# KiCad board pi60_RGB_v2.0_usb.kicad_pcb (continued)
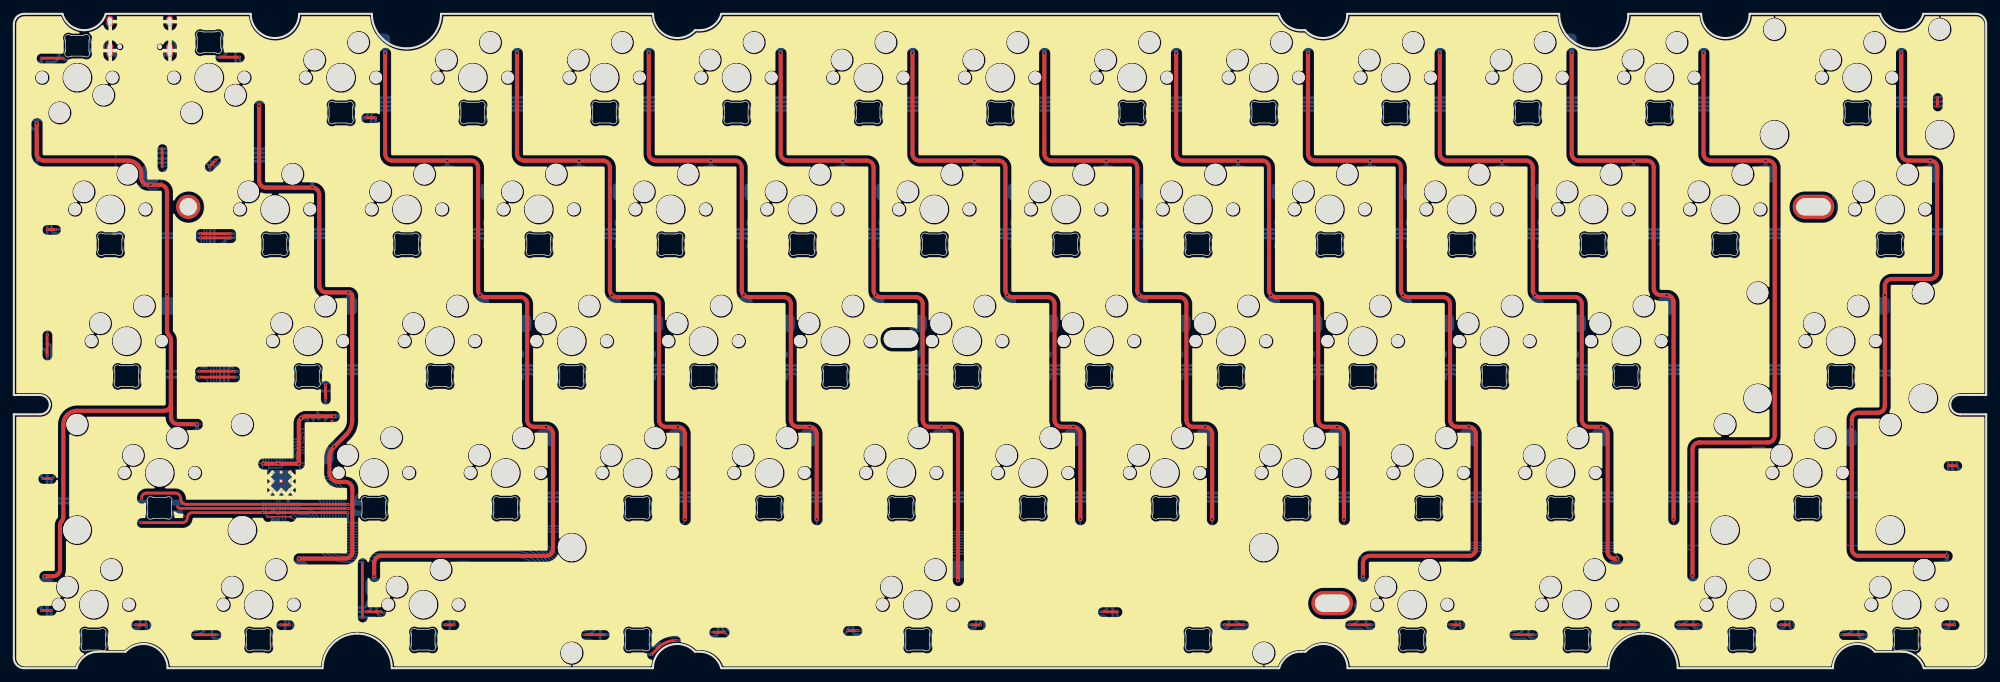
[diagram p0: board, top side]
## Routing (per net, layer and track width the routed paths; a pad name or vN(x,y) marks a point on that pad's centre or on a via; arc(x,y) is an arc through that point) (continued)
R3: length 296.6
  Top w0.4: v1(48.21,22.49) 25.81,22.49 arc(25.29,22.28) 25.08,21.76 arc(24.86,21.25) 24.35,21.03 24.34,21.03 v1(18.46,21.03)
  Bottom w0.2: U2.28 36.02,22.59 v1(35.92,22.49)
  Bottom w0.4: v1(18.46,21.03) 18.29,21.03 arc(18.13,21.06) 18,21.15 16.58,22.57 arc(15.79,23.09) 14.87,23.28 13.86,23.28 ; v1(48.21,22.49) 48.21,21.13 arc(48.24,21.06) 48.31,21.03 54.81,21.03 arc(55.52,21.32) 55.81,22.03 55.81,23.03 arc(56.13,23.8) 56.9,24.11 58.45,24.11 arc(59.16,23.82) 59.45,23.11 arc(59.75,23.82) 60.45,24.11 62.54,24.11 arc(63.3,23.8) D44.1 arc(63.94,23.8) 64.71,24.11 66.06,24.11 arc(66.49,23.94) 66.66,23.52 66.66,22.53 arc(67.1,21.47) 68.16,21.03 73.86,21.03 arc(74.57,21.32) 74.86,22.03 74.86,23.03 arc(75.18,23.8) 75.95,24.11 81.59,24.11 arc(82.35,23.8) D45.1 arc(82.99,23.8) 83.76,24.11 85.11,24.11 arc(85.54,23.94) 85.71,23.52 85.71,22.53 arc(86.15,21.47) 87.21,21.03 92.91,21.03 arc(93.62,21.32) 93.91,22.03 93.91,23.03 arc(94.23,23.8) 95,24.11 100.64,24.11 arc(101.4,23.8) D46.1 arc(102.04,23.8) 102.81,24.11 104.16,24.11 arc(104.59,23.94) 104.76,23.52 104.76,22.53 arc(105.2,21.47) 106.26,21.03 111.96,21.03 arc(112.67,21.32) 112.96,22.03 112.96,23.03 arc(113.28,23.8) 114.05,24.11 119.69,24.11 arc(120.45,23.8) D47.1 arc(121.09,23.8) 121.86,24.11 123.21,24.11 arc(123.64,23.94) 123.81,23.52 123.81,22.53 arc(124.25,21.47) 125.31,21.03 131.01,21.03 arc(131.72,21.32) 132.01,22.03 132.01,23.03 arc(132.33,23.8) 133.1,24.11 138.74,24.11 arc(139.5,23.8) D48.1 arc(140.14,23.8) 140.91,24.11 142.26,24.11 arc(142.69,23.94) 142.86,23.52 142.86,22.53 arc(143.3,21.47) 144.36,21.03 150.06,21.03 arc(150.77,21.32) 151.06,22.03 151.06,23.03 arc(151.38,23.8) 152.15,24.11 157.79,24.11 arc(158.55,23.8) D49.1 arc(159.19,23.8) 159.96,24.11 161.31,24.11 arc(161.74,23.94) 161.91,23.52 161.91,22.53 arc(162.35,21.47) 163.41,21.03 169.11,21.03 arc(169.82,21.32) 170.11,22.03 170.11,23.03 arc(170.43,23.8) 171.2,24.11 176.84,24.11 arc(177.6,23.8) D50.1 arc(178.24,23.8) 179.01,24.11 180.36,24.11 arc(180.79,23.94) 180.96,23.52 180.96,22.53 arc(181.4,21.47) 182.46,21.03 188.16,21.03 arc(188.87,21.32) 189.16,22.03 189.16,23.03 arc(189.48,23.8) 190.25,24.11 195.89,24.11 arc(196.65,23.8) D51.1 arc(197.29,23.8) 198.06,24.11 199.41,24.11 arc(199.84,23.94) 200.01,23.52 200.01,22.53 arc(200.45,21.47) 201.51,21.03 207.21,21.03 arc(207.92,21.32) 208.21,22.03 208.21,23.03 arc(208.53,23.8) 209.3,24.11 214.94,24.11 arc(215.7,23.8) D52.1 arc(216.34,23.8) 217.11,24.11 218.46,24.11 arc(218.89,23.94) 219.06,23.52 219.06,22.53 arc(219.5,21.47) 220.56,21.03 226.26,21.03 arc(226.97,21.32) 227.26,22.03 227.26,23.03 arc(227.58,23.8) 228.35,24.11 250.65,24.11 arc(251.42,23.8) D53.1
R4: length 298.9
  Top w0.2: v1(36.68,21.89) v1(40.02,21.89)
  Top w0.4: v1(50.36,7.37) v1(50.36,15.23) ; v1(92.17,1.98) 93.17,2.99 arc(94.29,3.74) v1(95.61,4)
  Bottom w0.2: U2.27 36.42,22.15 v1(36.68,21.89) ; v1(50.36,15.23) 50.26,15.33 48.15,15.33 arc(44.11,17) 42.45,21.03 42.45,21.17 arc(42.39,21.32) 42.25,21.37 41.26,21.37 arc(40.59,21.51) v1(40.02,21.89)
  Bottom w0.4: D54.1 D55.1 24.98,3.63 30.14,3.63 30.26,3.63 30.49,3.59 30.71,3.52 30.92,3.41 31.11,3.27 31.2,3.19 31.97,2.42 32.06,2.33 32.25,2.2 32.46,2.09 32.68,2.02 32.91,1.98 33.03,1.98 39.4,1.98 arc(40.1,2.27) 40.4,2.98 40.4,6.87 arc(40.54,7.22) 40.9,7.37 51.85,7.37 arc(52.15,7.31) 52.41,7.13 52.48,7.07 arc(52.81,6.85) 53.19,6.77 53.75,6.77 arc(54.45,6.48) 54.75,5.77 54.75,2.98 arc(55.04,2.27) 55.75,1.98 62.18,1.98 arc(62.88,2.27) 63.18,2.98 63.18,2.98 arc(63.47,3.69) 64.18,3.98 D56.1 ; 213,4.23 214.88,4.23 ; 69.99,4.09 83.15,4.09 arc(83.86,3.8) 84.15,3.09 84.15,2.98 arc(84.45,2.28) 85.15,1.98 v1(92.17,1.98) ; v1(95.61,4) 123.13,4 ; 212.5,4.23 207.06,4.23 arc(206.35,3.94) 206.06,3.23 206.06,2.98 arc(205.76,2.27) 205.06,1.98 198.63,1.98 arc(197.92,2.27) 197.63,2.98 197.63,4.56 arc(197.48,4.92) 197.13,5.06 195.93,5.06 arc(195.51,5.15) 195.15,5.39 arc(194.85,5.59) 194.48,5.66 176.59,5.66 arc(176.17,5.58) 175.81,5.34 175.68,5.21 arc(175.44,4.85) 175.36,4.43 175.36,2.98 arc(175.06,2.27) 174.36,1.98 168.63,1.98 arc(168.17,2.07) 167.78,2.33 166.79,3.32 arc(166.4,3.58) 165.94,3.67 160.2,3.67 arc(158.79,4.26) 158.2,5.67 158.2,6.55 arc(157.91,7.26) 157.2,7.55 141.29,7.55 arc(140.59,7.26) 140.29,6.55 140.29,6.06 arc(140,5.35) 139.29,5.06 139.29,5.06 135.61,5.06 arc(134.9,4.77) 134.61,4.06 134.61,2.98 arc(134.31,2.27) 133.61,1.98 127.19,1.98 arc(126.49,2.27) 126.19,2.98 126.19,3.35 arc(125.99,3.85) 125.49,4.05 123.23,4.05 ; 260.63,4.23 262.51,4.23 ; 215.38,4.23 218.24,4.23 arc(218.39,4.2) 218.52,4.11 218.68,3.95 arc(219.04,3.71) 219.46,3.63 220.43,3.63 arc(221.19,3.48) 221.84,3.04 222.32,2.56 arc(222.97,2.13) 223.74,1.98 223.74,1.98 228.86,1.98 arc(229.56,2.27) 229.86,2.98 229.86,4.06 arc(230.15,4.77) 230.86,5.06 231.72,5.06 arc(232.03,5.13) 232.29,5.3 232.42,5.43 arc(232.68,5.6) 232.99,5.66 241.52,5.66 arc(241.81,5.6) 242.07,5.44 242.21,5.29 arc(242.46,5.12) 242.76,5.06 243.22,5.06 arc(243.59,4.99) 243.89,4.79 246.12,2.56 arc(246.77,2.13) 247.53,1.98 252.69,1.98 252.69,1.98 arc(253.4,2.27) 253.69,2.98 ; 260.13,4.23 254.69,4.23 arc(253.98,3.94) 253.69,3.23
Net-(D1-A): length 7.8
  Bottom w0.4: 15.58,82.2 15.58,76.58 arc(15.87,75.87) 16.58,75.58 D1.2
Net-(D2-A): length 1.6
  Bottom w0.4: 21.54,77.93 21.54,79.5
Net-(D3-A): length 4.1
  Bottom w0.6: D3.2 39.81,87.58
Net-(D4-A): length 4.1
  Bottom w0.6: D4.2 58.86,87.58
Net-(D5-A): length 4.1
  Bottom w0.6: D5.2 77.91,87.58
Net-(D6-A): length 4.1
  Bottom w0.6: D6.2 96.96,87.58
Net-(D7-A): length 4.1
  Bottom w0.6: D7.2 116.01,87.58
Net-(D8-A): length 4.1
  Bottom w0.6: D8.2 135.06,87.58
Net-(D9-A): length 4.1
  Bottom w0.6: D9.2 154.11,87.58
Net-(D10-A): length 4.1
  Bottom w0.6: D10.2 173.16,87.58
Net-(D11-A): length 4.1
  Bottom w0.6: D11.2 192.21,87.58
Net-(D12-A): length 4.1
  Bottom w0.6: D12.2 211.26,87.58
Net-(D13-A): length 4.1
  Bottom w0.6: D13.2 230.31,87.58
Net-(D14-A): length 4.1
  Bottom w0.6: D14.2 258.88,87.58
Net-(D15-A): length 4.1
  Bottom w0.6: D15.2 6.47,68.53
Net-(D16-A): length 4.1
  Bottom w0.6: D16.2 30.28,68.53
Net-(D17-A): length 4.1
  Bottom w0.6: D17.2 49.33,68.53
Net-(D18-A): length 4.1
  Bottom w0.6: D18.2 68.38,68.53
Net-(D19-A): length 4.1
  Bottom w0.6: D19.2 87.43,68.53
Net-(D20-A): length 4.1
  Bottom w0.6: D20.2 106.48,68.53
Net-(D21-A): length 4.1
  Bottom w0.6: D21.2 125.53,68.53
Net-(D22-A): length 4.1
  Bottom w0.6: D22.2 144.58,68.53
Net-(D23-A): length 4.1
  Bottom w0.6: D23.2 163.63,68.53
Net-(D24-A): length 4.1
  Bottom w0.6: D24.2 182.68,68.53
Net-(D25-A): length 4.1
  Bottom w0.6: D25.2 201.73,68.53
Net-(D26-A): length 4.1
  Bottom w0.6: D26.2 220.78,68.53
Net-(D27-A): length 4.1
  Bottom w0.6: D27.2 239.83,68.53
Net-(D28-A): length 4.1
  Bottom w0.6: D28.2 263.65,68.54
Net-(D29-A): length 4.1
  Bottom w0.6: D29.2 8.85,49.48
Net-(D30-A): length 4.1
  Bottom w0.6: D30.2 35.05,49.48
Net-(D31-A): length 4.1
  Bottom w0.6: D31.2 54.1,49.48
Net-(D32-A): length 4.1
  Bottom w0.6: D32.2 73.15,49.48
Net-(D33-A): length 4.1
  Bottom w0.6: D33.2 92.2,49.48
Net-(D34-A): length 4.1
  Bottom w0.6: D34.2 111.25,49.48
Net-(D35-A): length 4.4
  Bottom w0.6: 131.2,49.29 131.2,46.28 arc(130.94,45.64) D35.2
Net-(D36-A): length 4.1
  Bottom w0.6: D36.2 149.35,49.48
Net-(D37-A): length 4.1
  Bottom w0.6: D37.2 168.4,49.48
Net-(D38-A): length 4.1
  Bottom w0.6: D38.2 187.45,49.48
Net-(D39-A): length 4.1
  Bottom w0.6: D39.2 206.5,49.48
Net-(D40-A): length 4.1
  Bottom w0.6: D40.2 225.55,49.48
Net-(D41-A): length 4.1
  Bottom w0.6: D41.2 256.5,49.49
Net-(D42-A): length 4.1
  Bottom w0.6: D42.2 13.61,30.43
Net-(D43-A): length 7.6
  Bottom w0.6: D43.2 59.45,32.33 arc(59.16,33.04) 58.45,33.33
Net-(D44-A): length 4.1
  Bottom w0.6: D44.2 63.62,30.43
Net-(D45-A): length 4.1
  Bottom w0.6: D45.2 82.67,30.43
Net-(D46-A): length 4.1
  Bottom w0.6: D46.2 101.72,30.43
Net-(D47-A): length 4.1
  Bottom w0.6: D47.2 120.77,30.43
Net-(D48-A): length 4.1
  Bottom w0.6: D48.2 139.82,30.43
Net-(D49-A): length 4.1
  Bottom w0.6: D49.2 158.87,30.43
Net-(D50-A): length 4.1
  Bottom w0.6: D50.2 177.92,30.43
Net-(D51-A): length 4.1
  Bottom w0.6: D51.2 196.97,30.43
Net-(D52-A): length 4.1
  Bottom w0.6: D52.2 216.02,30.44
Net-(D53-A): length 4.1
  Bottom w0.6: D53.2 251.74,30.44
Net-(D54-A): length 11.4
  Bottom w0.6: K54.2 21.25,14.28 arc(21.95,13.99) 22.25,13.28 D54.2
Net-(D55-A): length 7.7
  Bottom w0.6: K55.1 25.63,11.74 arc(24.92,11.45) 24.63,10.74 D55.2
Net-(D56-A): length 11.4
  Bottom w0.6: K56.2 68.87,14.28 arc(69.58,13.99) 69.87,13.28 D56.2
Net-(D57-A): length 4.1
  Bottom w0.6: D57.2 123.15,11.38
Net-(D58-A): length 11.4
  Bottom w0.6: D58.2 212.75,13.28 arc(212.45,13.99) 211.75,14.28 K58.2
Net-(D59-A): length 7.7
  Bottom w0.6: D59.2 215.13,10.74 arc(215.42,11.45) 216.13,11.74 K59.1
Net-(D60-A): length 11.4
  Bottom w0.6: D60.2 260.37,13.28 arc(260.08,13.99) 259.37,14.28 K60.2
Net-(D61-A): length 7.7
  Bottom w0.6: K61.1 263.75,11.74 arc(263.05,11.45) 262.75,10.74 D61.2
Net-(D62-DOUT): length 15.2
  Bottom w0.4: D63.4 24.28,89.73 arc(24.09,89.8) 24.02,89.98 arc(23.61,90.98) 22.62,91.39 12.4,91.39 arc(11.94,91.2) D62.2
Net-(D76-DIN): length 23.9
  Top w0.4: 27.77,62.81 26.96,62.81 v1(26.96,62.81) ; v1(31.37,62.81) 27.77,62.81
  Bottom w0.4: 17.31,62.82 17.31,62.81 arc(16.75,62.58) D76.4 ; v1(31.37,62.81) 32.83,62.81 ; 32.83,62.81 32.83,63.24 32.96,63.37 ; 32.83,62.81 arc(33.6,62.49) 33.92,61.72 33.92,61.52 arc(34.22,60.81) 34.92,60.52 ; 14.31,62.82 26.96,62.82 v1(26.96,62.81)
Net-(D77-DIN): length 15.5
  Bottom w0.4: D77.4 arc(40.56,62.58) 41.12,62.81 51.88,62.81 arc(52.65,62.49) 52.97,61.72 52.97,61.52 arc(53.27,60.81) 53.97,60.52
Net-(D78-DIN): length 15.5
  Bottom w0.4: 73.02,60.52 arc(72.32,60.81) 72.02,61.52 72.02,61.72 arc(71.7,62.49) 70.93,62.81 60.17,62.81 arc(59.61,62.58) D78.4
Net-(D79-DIN): length 15.5
  Bottom w0.4: D79.4 arc(78.66,62.58) 79.22,62.81 89.98,62.81 arc(90.75,62.49) 91.07,61.72 91.07,61.52 arc(91.37,60.81) 92.07,60.52
Net-(D80-DIN): length 15.5
  Bottom w0.4: 111.12,60.52 arc(110.42,60.81) 110.12,61.52 110.12,61.72 arc(109.8,62.49) 109.03,62.81 98.27,62.81 arc(97.71,62.58) D80.4
Net-(D81-DIN): length 15.5
  Bottom w0.4: D81.4 arc(116.76,62.58) 117.32,62.81 128.08,62.81 arc(128.85,62.49) 129.17,61.72 129.17,61.52 arc(129.47,60.81) 130.17,60.52
Net-(D82-DIN): length 15.5
  Bottom w0.4: D82.4 arc(135.81,62.58) 136.37,62.81 147.13,62.81 arc(147.9,62.49) 148.22,61.72 148.22,61.52 arc(148.52,60.81) 149.22,60.52
Net-(D83-DIN): length 15.5
  Bottom w0.4: D83.4 arc(154.86,62.58) 155.42,62.81 166.18,62.81 arc(166.95,62.49) 167.27,61.72 167.27,61.52 arc(167.57,60.81) 168.27,60.52
Net-(D84-DIN): length 15.5
  Bottom w0.4: 173.68,62.02 arc(173.91,62.58) 174.47,62.81 185.23,62.81 arc(186,62.49) 186.32,61.72 186.32,61.52 arc(186.62,60.81) 187.32,60.52
Net-(D85-DIN): length 15.5
  Bottom w0.4: 192.72,62.02 arc(192.96,62.58) 193.52,62.81 204.28,62.81 arc(205.05,62.49) 205.37,61.72 205.37,61.52 arc(205.67,60.81) 206.37,60.52
Net-(D86-DIN): length 15.5
  Bottom w0.4: 211.77,62.02 arc(212.01,62.58) 212.57,62.81 223.33,62.81 arc(224.1,62.49) 224.42,61.72 224.42,61.52 arc(224.72,60.81) 225.42,60.52
Net-(D87-DIN): length 15.5
  Bottom w0.4: 244.47,60.52 arc(243.77,60.81) 243.47,61.52 243.47,61.72 arc(243.15,62.49) 242.38,62.81 231.62,62.81 arc(231.06,62.58) 230.82,62.02
Net-(D88-DIN): length 20.3
  Bottom w0.4: 249.87,62.02 arc(250.11,62.58) 250.67,62.81 266.19,62.81 arc(266.97,62.49) 267.29,61.72 267.29,61.52 arc(267.58,60.81) 268.29,60.52
Net-(D90-DOUT): length 21.8
  Top w0.4: v1(31.94,42.93) v1(26.84,42.93)
  Bottom w0.4: v1(31.94,42.93) 37.69,42.93 arc(38.39,42.64) 38.69,41.93 38.69,41.87 arc(38.8,41.59) 39.09,41.47 D91.4 ; v1(26.84,42.93) 18.94,42.93
Net-(D91-DOUT): length 15.6
  Bottom w0.4: 58.94,41.47 58.02,41.47 arc(57.82,41.55) 57.74,41.76 arc(57.15,43.17) 55.74,43.76 53.94,43.76 53.94,43.76 45.79,43.76 arc(45.29,43.55) 45.09,43.06
Net-(D92-DOUT): length 15.6
  Bottom w0.4: 77.99,41.47 77.07,41.47 arc(76.87,41.55) 76.79,41.76 arc(76.2,43.17) 74.79,43.76 72.99,43.76 72.99,43.76 64.84,43.76 arc(64.34,43.55) 64.14,43.06
Net-(D93-DOUT): length 15.6
  Bottom w0.4: 97.04,41.47 96.12,41.47 arc(95.92,41.55) 95.84,41.76 arc(95.25,43.17) 93.84,43.76 92.04,43.76 92.04,43.76 83.89,43.76 arc(83.39,43.55) 83.19,43.06
Net-(D94-DOUT): length 15.6
  Bottom w0.4: 116.09,41.47 115.17,41.47 arc(114.97,41.55) 114.89,41.76 arc(114.3,43.17) 112.89,43.76 111.09,43.76 111.09,43.76 102.94,43.76 arc(102.44,43.55) 102.24,43.06
Net-(D95-DOUT): length 15.6
  Bottom w0.4: 135.14,41.47 134.22,41.47 arc(134.02,41.55) 133.94,41.76 arc(133.35,43.17) 131.94,43.76 130.14,43.76 130.14,43.76 121.99,43.76 arc(121.49,43.55) 121.29,43.06
Net-(D96-DOUT): length 15.6
  Bottom w0.4: 154.19,41.47 153.27,41.47 arc(153.07,41.55) 152.99,41.76 arc(152.4,43.17) 150.99,43.76 149.19,43.76 149.19,43.76 141.04,43.76 arc(140.54,43.55) 140.34,43.06
Net-(D97-DOUT): length 15.6
  Bottom w0.4: 173.24,41.47 172.32,41.47 arc(172.12,41.55) 172.04,41.76 arc(171.45,43.17) 170.04,43.76 168.24,43.76 168.24,43.76 160.09,43.76 arc(159.59,43.55) 159.39,43.06
Net-(D98-DOUT): length 15.6
  Bottom w0.4: 192.29,41.47 191.37,41.47 arc(191.17,41.55) 191.09,41.76 arc(190.5,43.17) 189.09,43.76 187.29,43.76 187.29,43.76 179.14,43.76 arc(178.64,43.55) 178.44,43.06
Net-(D100-DIN): length 15.6
  Bottom w0.4: 211.34,41.47 210.42,41.47 arc(210.22,41.55) 210.14,41.76 arc(209.55,43.17) 208.14,43.76 206.34,43.76 206.34,43.76 198.19,43.76 arc(197.69,43.55) 197.49,43.06
Net-(D100-DOUT): length 15.6
  Bottom w0.4: 230.39,41.47 229.47,41.47 arc(229.27,41.55) 229.19,41.76 arc(228.6,43.17) 227.19,43.76 225.39,43.76 225.39,43.76 217.24,43.76 arc(216.74,43.55) 216.54,43.06
Net-(D101-DOUT): length 27.5
  Bottom w0.4: 261.34,41.47 260.43,41.47 arc(260.23,41.55) 260.14,41.76 arc(259.56,43.17) 258.14,43.76 236.29,43.76 236.29,43.76 arc(235.79,43.55) 235.59,43.06
Net-(D102-DOUT): length 19.1
  Bottom w0.4: D102.2 279.44,42.97 arc(280.14,43.26) 280.44,43.97 280.44,45.41 arc(280.31,45.72) 280,45.84 arc(279.69,45.97) 279.56,46.28 279.56,47.1 arc(279.75,47.54) D138.4
Net-(D103-DIN): length 26.6
  Top w0.4: v1(23.66,23.3) 23.69,23.27 arc(23.89,23.14) 24.12,23.09 v1(48.21,23.09)
  Bottom w0.4: 48.41,23.09 48.74,23.09 arc(49.22,22.89) D104.2 ; D103.4 v1(23.66,23.3)
Net-(D103-DOUT): length 17
  Bottom w0.4: D143.4 4.81,25.38 arc(5.25,24.32) 6.31,23.88 15.09,23.88 arc(16.04,23.69) 16.85,23.15 17.27,22.73 arc(17.61,22.5) 18.02,22.42
Net-(D104-DIN): length 15.5
  Bottom w0.4: D104.4 arc(54.85,24.48) 55.41,24.71 66.16,24.71 arc(66.94,24.39) 67.26,23.62 67.26,23.42 arc(67.56,22.71) 68.26,22.42
Net-(D105-DIN): length 15.5
  Bottom w0.4: D105.4 arc(73.9,24.48) 74.46,24.71 85.21,24.71 arc(85.99,24.39) 86.31,23.62 86.31,23.42 arc(86.61,22.71) 87.31,22.42
Net-(D106-DIN): length 15.5
  Bottom w0.4: D106.4 arc(92.95,24.48) 93.51,24.71 104.26,24.71 arc(105.04,24.39) 105.36,23.62 105.36,23.42 arc(105.66,22.71) 106.36,22.42
Net-(D107-DIN): length 15.5
  Bottom w0.4: 111.76,23.92 arc(112,24.48) 112.56,24.71 123.31,24.71 arc(124.09,24.39) 124.41,23.62 124.41,23.42 arc(124.71,22.71) 125.41,22.42
Net-(D108-DIN): length 15.5
  Bottom w0.4: 130.81,23.92 arc(131.05,24.48) 131.61,24.71 142.36,24.71 arc(143.14,24.39) 143.46,23.62 143.46,23.42 arc(143.76,22.71) 144.46,22.42
Net-(D109-DIN): length 15.5
  Bottom w0.4: 163.51,22.42 arc(162.81,22.71) 162.51,23.42 162.51,23.62 arc(162.19,24.39) 161.41,24.71 150.66,24.71 arc(150.1,24.48) 149.86,23.92
Net-(D110-DIN): length 15.5
  Bottom w0.4: 168.91,23.92 arc(169.15,24.48) 169.71,24.71 180.46,24.71 arc(181.24,24.39) 181.56,23.62 181.56,23.42 arc(181.86,22.71) 182.56,22.42
Net-(D111-DIN): length 15.5
  Bottom w0.4: 187.96,23.92 arc(188.19,24.48) 188.76,24.71 199.51,24.71 arc(200.29,24.39) 200.61,23.62 200.61,23.42 arc(200.91,22.71) 201.61,22.42
Net-(D112-DIN): length 15.5
  Bottom w0.4: 220.66,22.42 arc(219.96,22.71) 219.66,23.42 219.66,23.62 arc(219.34,24.39) 218.56,24.71 207.81,24.71 arc(207.24,24.48) 207.01,23.92
Net-(D113-DIN): length 32.2
  Bottom w0.4: 256.38,22.42 arc(255.67,22.71) 255.38,23.42 255.38,23.62 arc(255.06,24.39) 254.28,24.71 226.86,24.71 arc(226.29,24.48) 226.06,23.92
Net-(D114-DIN): length 21.8
  Bottom w0.4: D139.2 281.04,27.25 arc(280.91,26.93) 280.59,26.79 arc(280.27,26.66) 280.14,26.34 280.14,26.21 arc(279.7,25.15) 278.64,24.71 262.57,24.71 arc(262.01,24.48) D114.4
Net-(D115-DIN): length 24.6
  Bottom w0.4: D115.4 103.24,8.66 arc(103.03,8.35) 102.96,7.99 102.96,6.2 arc(103.25,5.49) 103.96,5.2 119.02,5.2 arc(119.73,5.49) 120.02,6.2 120.02,9 arc(120.2,9.44) D160.2
Net-(D115-DOUT): length 14.1
  Bottom w0.4: 92.84,4.75 arc(93,4.64) 93.19,4.6 101.16,4.6 arc(101.59,4.78) 101.76,5.2 101.76,9 arc(101.95,9.44) D115.2
Net-(D116-DIN): length 10.4
  Bottom w0.4: 139.69,9.63 arc(139.25,9.44) 139.07,9 139.07,6.26 arc(138.89,5.83) 138.47,5.66 133.98,5.66 arc(133.42,5.43) D116.4
Net-(D116-DOUT): length 11.4
  Bottom w0.4: D160.4 121.49,8.68 arc(121.31,8.41) 121.24,8.08 121.24,5.43 arc(121.42,5) 121.84,4.83 125.59,4.83 arc(126.44,4.48) 126.79,3.63 126.79,3.57 arc(126.85,3.43) 126.99,3.37 D116.2
Net-(D117-DIN): length 13.4
  Bottom w0.4: D117.4 158.8,5.77 arc(159.24,4.71) 160.3,4.27 166.19,4.27 arc(166.65,4.18) 167.04,3.92 167.24,3.72 arc(167.63,3.46) 168.09,3.37
Net-(D117-DOUT): length 17.9
  Bottom w0.4: D117.2 157.75,9.63 arc(157.45,9.5) 157.32,9.2 arc(157.2,8.9) 156.9,8.78 D161.4
Net-(D118-DIN): length 6.4
  Bottom w0.4: D162.2 arc(175.76,9.44) 175.58,9 175.58,6.26 arc(175.41,5.84) 174.98,5.66 174.47,5.66 arc(173.91,5.43) D118.4
Net-(D119-DIN): length 7.9
  Bottom w0.4: D119.4 195.38,6.26 arc(195.56,5.84) 195.98,5.66 197.23,5.66 arc(197.94,5.37) 198.23,4.66 198.23,4.59 arc(198.28,4.36) 198.41,4.17 199.2,3.37
Net-(D119-DOUT): length 21
  Bottom w0.4: D162.4 177.06,7.86 arc(177.35,7.16) 178.06,6.86 192.9,6.86 arc(193.61,7.16) 193.9,7.86 193.9,9 arc(194.08,9.44) 194.53,9.63
Net-(D120-DIN): length 7.4
  Bottom w0.4: D145.2 18.25,6.26 arc(18.07,5.84) 17.65,5.66 14.92,5.66 arc(14.36,5.43) D120.4
Net-(D120-DOUT): length 8.1
  Bottom w0.4: 8.7,3.37 8.24,3.83 arc(7.76,4.16) 7.18,4.27 6.31,4.27 arc(5.25,4.71) 4.81,5.77 4.81,8.77
Net-(D121-DIN): length 8.7
  Bottom w0.4: D146.2 41.9,9.63 arc(41.75,9.66) 41.62,9.74 41.29,10.07 arc(40.89,10.33) 40.42,10.43 arc(39.95,10.33) 39.56,10.07 arc(39.29,9.67) 39.2,9.2 39.2,5.87 arc(38.9,5.16) 38.2,4.87
Net-(D121-DOUT): length 8.4
  Bottom w0.4: 32.48,3.37 32.07,3.79 arc(31.58,4.11) 31,4.23 29.23,4.23 arc(28.8,4.4) 28.63,4.83 D157.4
Net-(D122-DIN): length 8.7
  Bottom w0.4: D147.2 65.71,9.63 arc(65.56,9.66) 65.43,9.74 65.1,10.07 arc(64.71,10.33) 64.24,10.43 arc(63.77,10.33) 63.37,10.07 arc(63.1,9.67) 63.01,9.2 63.01,5.87 arc(62.72,5.16) 62.01,4.87
Net-(D122-DOUT): length 7.8
  Bottom w0.4: D158.4 52.44,8.37 arc(52.73,7.67) 53.44,7.37 53.85,7.37 arc(54.91,6.93) 55.35,5.87 55.35,4.37 arc(55.64,3.66) 56.35,3.37
Net-(D123-DIN): length 10.3
  Bottom w0.4: 31.01,91.23 arc(31.71,90.94) 32.01,90.23 32.01,88.13 arc(32.44,87.07) 33.51,86.63 36.5,86.63 arc(37.07,86.39) 37.3,85.83
Net-(D123-DOUT): length 9.8
  Bottom w0.4: 38.18,84.96 38.18,83.36 arc(38.61,82.3) 39.68,81.86 41.95,81.86 arc(43.01,81.42) 43.45,80.36 arc(43.68,79.8) 44.24,79.57
Net-(D125-DIN): length 10
  Bottom w0.4: 49.85,81.16 arc(50.06,81.65) 50.55,81.86 54.23,81.86 arc(55.29,82.3) 55.73,83.36 55.73,85.2 arc(55.91,85.64) D125.4
Net-(D125-DOUT): length 10.3
  Bottom w0.4: D65.4 62.79,79.57 arc(62.58,79.65) 62.5,79.86 arc(61.91,81.27) 60.5,81.86 58.7,81.86 arc(57.64,82.3) 57.2,83.36 D125.2
Net-(D126-DIN): length 10
  Bottom w0.4: D126.4 arc(74.96,85.64) 74.78,85.2 74.78,83.36 arc(74.34,82.3) 73.28,81.86 69.6,81.86 arc(69.11,81.65) 68.9,81.16
Net-(D126-DOUT): length 10.3
  Bottom w0.4: D126.2 76.25,83.36 arc(76.69,82.3) 77.75,81.86 79.55,81.86 arc(80.96,81.27) 81.55,79.86 arc(81.63,79.65) 81.84,79.57 D66.4
Net-(D127-DIN): length 10
  Bottom w0.4: 87.95,81.16 arc(88.16,81.65) 88.65,81.86 92.33,81.86 arc(93.39,82.3) 93.83,83.36 93.83,85.2 arc(94.01,85.64) D127.4
Net-(D127-DOUT): length 10.3
  Bottom w0.4: D67.4 100.89,79.57 arc(100.68,79.65) 100.6,79.86 arc(100.01,81.27) 98.6,81.86 96.8,81.86 arc(95.74,82.3) 95.3,83.36 D127.2
Net-(D128-DIN): length 10
  Bottom w0.4: D128.4 arc(113.06,85.64) 112.88,85.2 112.88,83.36 arc(112.44,82.3) 111.38,81.86 107.7,81.86 arc(107.21,81.65) 107,81.16
Net-(D128-DOUT): length 10.3
  Bottom w0.4: D68.4 119.94,79.57 arc(119.73,79.65) 119.65,79.86 arc(119.06,81.27) 117.65,81.86 115.85,81.86 arc(114.79,82.3) 114.35,83.36 D128.2
Net-(D129-DIN): length 10
  Bottom w0.4: 132.55,85.81 arc(132.11,85.63) 131.93,85.18 131.93,83.34 arc(131.49,82.28) 130.43,81.84 126.75,81.84 arc(126.26,81.64) 126.05,81.14
Net-(D129-DOUT): length 10.3
  Bottom w0.4: 133.4,84.96 133.4,83.34 arc(133.84,82.28) 134.9,81.84 136.7,81.84 arc(138.11,81.25) 138.7,79.84 arc(138.78,79.64) 138.99,79.55 139.9,79.55
Net-(D130-DIN): length 10
  Bottom w0.4: 151.6,85.81 arc(151.16,85.63) 150.97,85.18 150.97,83.34 arc(150.54,82.28) 149.47,81.84 145.8,81.84 arc(145.31,81.64) 145.1,81.14
Net-(D130-DOUT): length 10.3
  Bottom w0.4: 158.95,79.55 158.04,79.55 arc(157.83,79.64) 157.75,79.84 arc(157.16,81.25) 155.75,81.84 153.95,81.84 arc(152.89,82.28) 152.45,83.34 152.45,84.96
Net-(D131-DIN): length 10
  Bottom w0.4: 170.65,85.81 arc(170.21,85.63) 170.02,85.18 170.02,83.34 arc(169.59,82.28) 168.52,81.84 164.85,81.84 arc(164.35,81.64) 164.15,81.14
Net-(D131-DOUT): length 10.3
  Bottom w0.4: 178,79.55 177.09,79.55 arc(176.88,79.64) 176.8,79.84 arc(176.21,81.25) 174.8,81.84 173,81.84 arc(171.94,82.28) 171.5,83.34 171.5,84.96
Net-(D132-DIN): length 10
  Bottom w0.4: 189.7,85.81 arc(189.26,85.63) 189.07,85.18 189.07,83.34 arc(188.64,82.28) 187.57,81.84 183.9,81.84 arc(183.4,81.64) 183.2,81.14
Net-(D132-DOUT): length 10.3
  Bottom w0.4: 197.05,79.55 196.14,79.55 arc(195.93,79.64) 195.85,79.84 arc(195.26,81.25) 193.85,81.84 192.05,81.84 arc(190.99,82.28) 190.55,83.34 190.55,84.96
Net-(D133-DIN): length 10
  Bottom w0.4: 208.75,85.81 arc(208.31,85.63) 208.12,85.18 208.12,83.34 arc(207.69,82.28) 206.62,81.84 202.95,81.84 arc(202.45,81.64) 202.25,81.14
Net-(D133-DOUT): length 10.3
  Bottom w0.4: 209.6,84.96 209.6,83.34 arc(210.04,82.28) 211.1,81.84 212.9,81.84 arc(214.31,81.25) 214.9,79.84 arc(214.98,79.64) 215.19,79.55 216.1,79.55
Net-(D134-DIN): length 10
  Bottom w0.4: 227.8,85.81 arc(227.36,85.63) 227.17,85.18 227.17,83.34 arc(226.74,82.28) 225.67,81.84 222,81.84 arc(221.5,81.64) 221.3,81.14
Net-(D134-DOUT): length 10.3
  Bottom w0.4: 235.15,79.55 234.24,79.55 arc(234.03,79.64) 233.95,79.84 arc(233.36,81.25) 231.95,81.84 230.15,81.84 arc(229.09,82.28) 228.65,83.34 228.65,84.96
Net-(D135-DIN): length 14.7
  Bottom w0.4: D135.4 arc(251.17,85.64) 250.99,85.2 250.99,83.36 arc(250.55,82.3) 249.49,81.86 241.05,81.86 arc(240.55,81.65) 240.35,81.16
Net-(D135-DOUT): length 15
  Bottom w0.4: D135.2 252.46,83.36 arc(252.9,82.3) 253.96,81.86 260.52,81.86 arc(261.94,81.27) 262.52,79.86 arc(262.61,79.65) 262.81,79.57 263.72,79.57
